# Altium PCB Thunderscope_Rev5.PCBDOC (part 5 of 7) (continued)
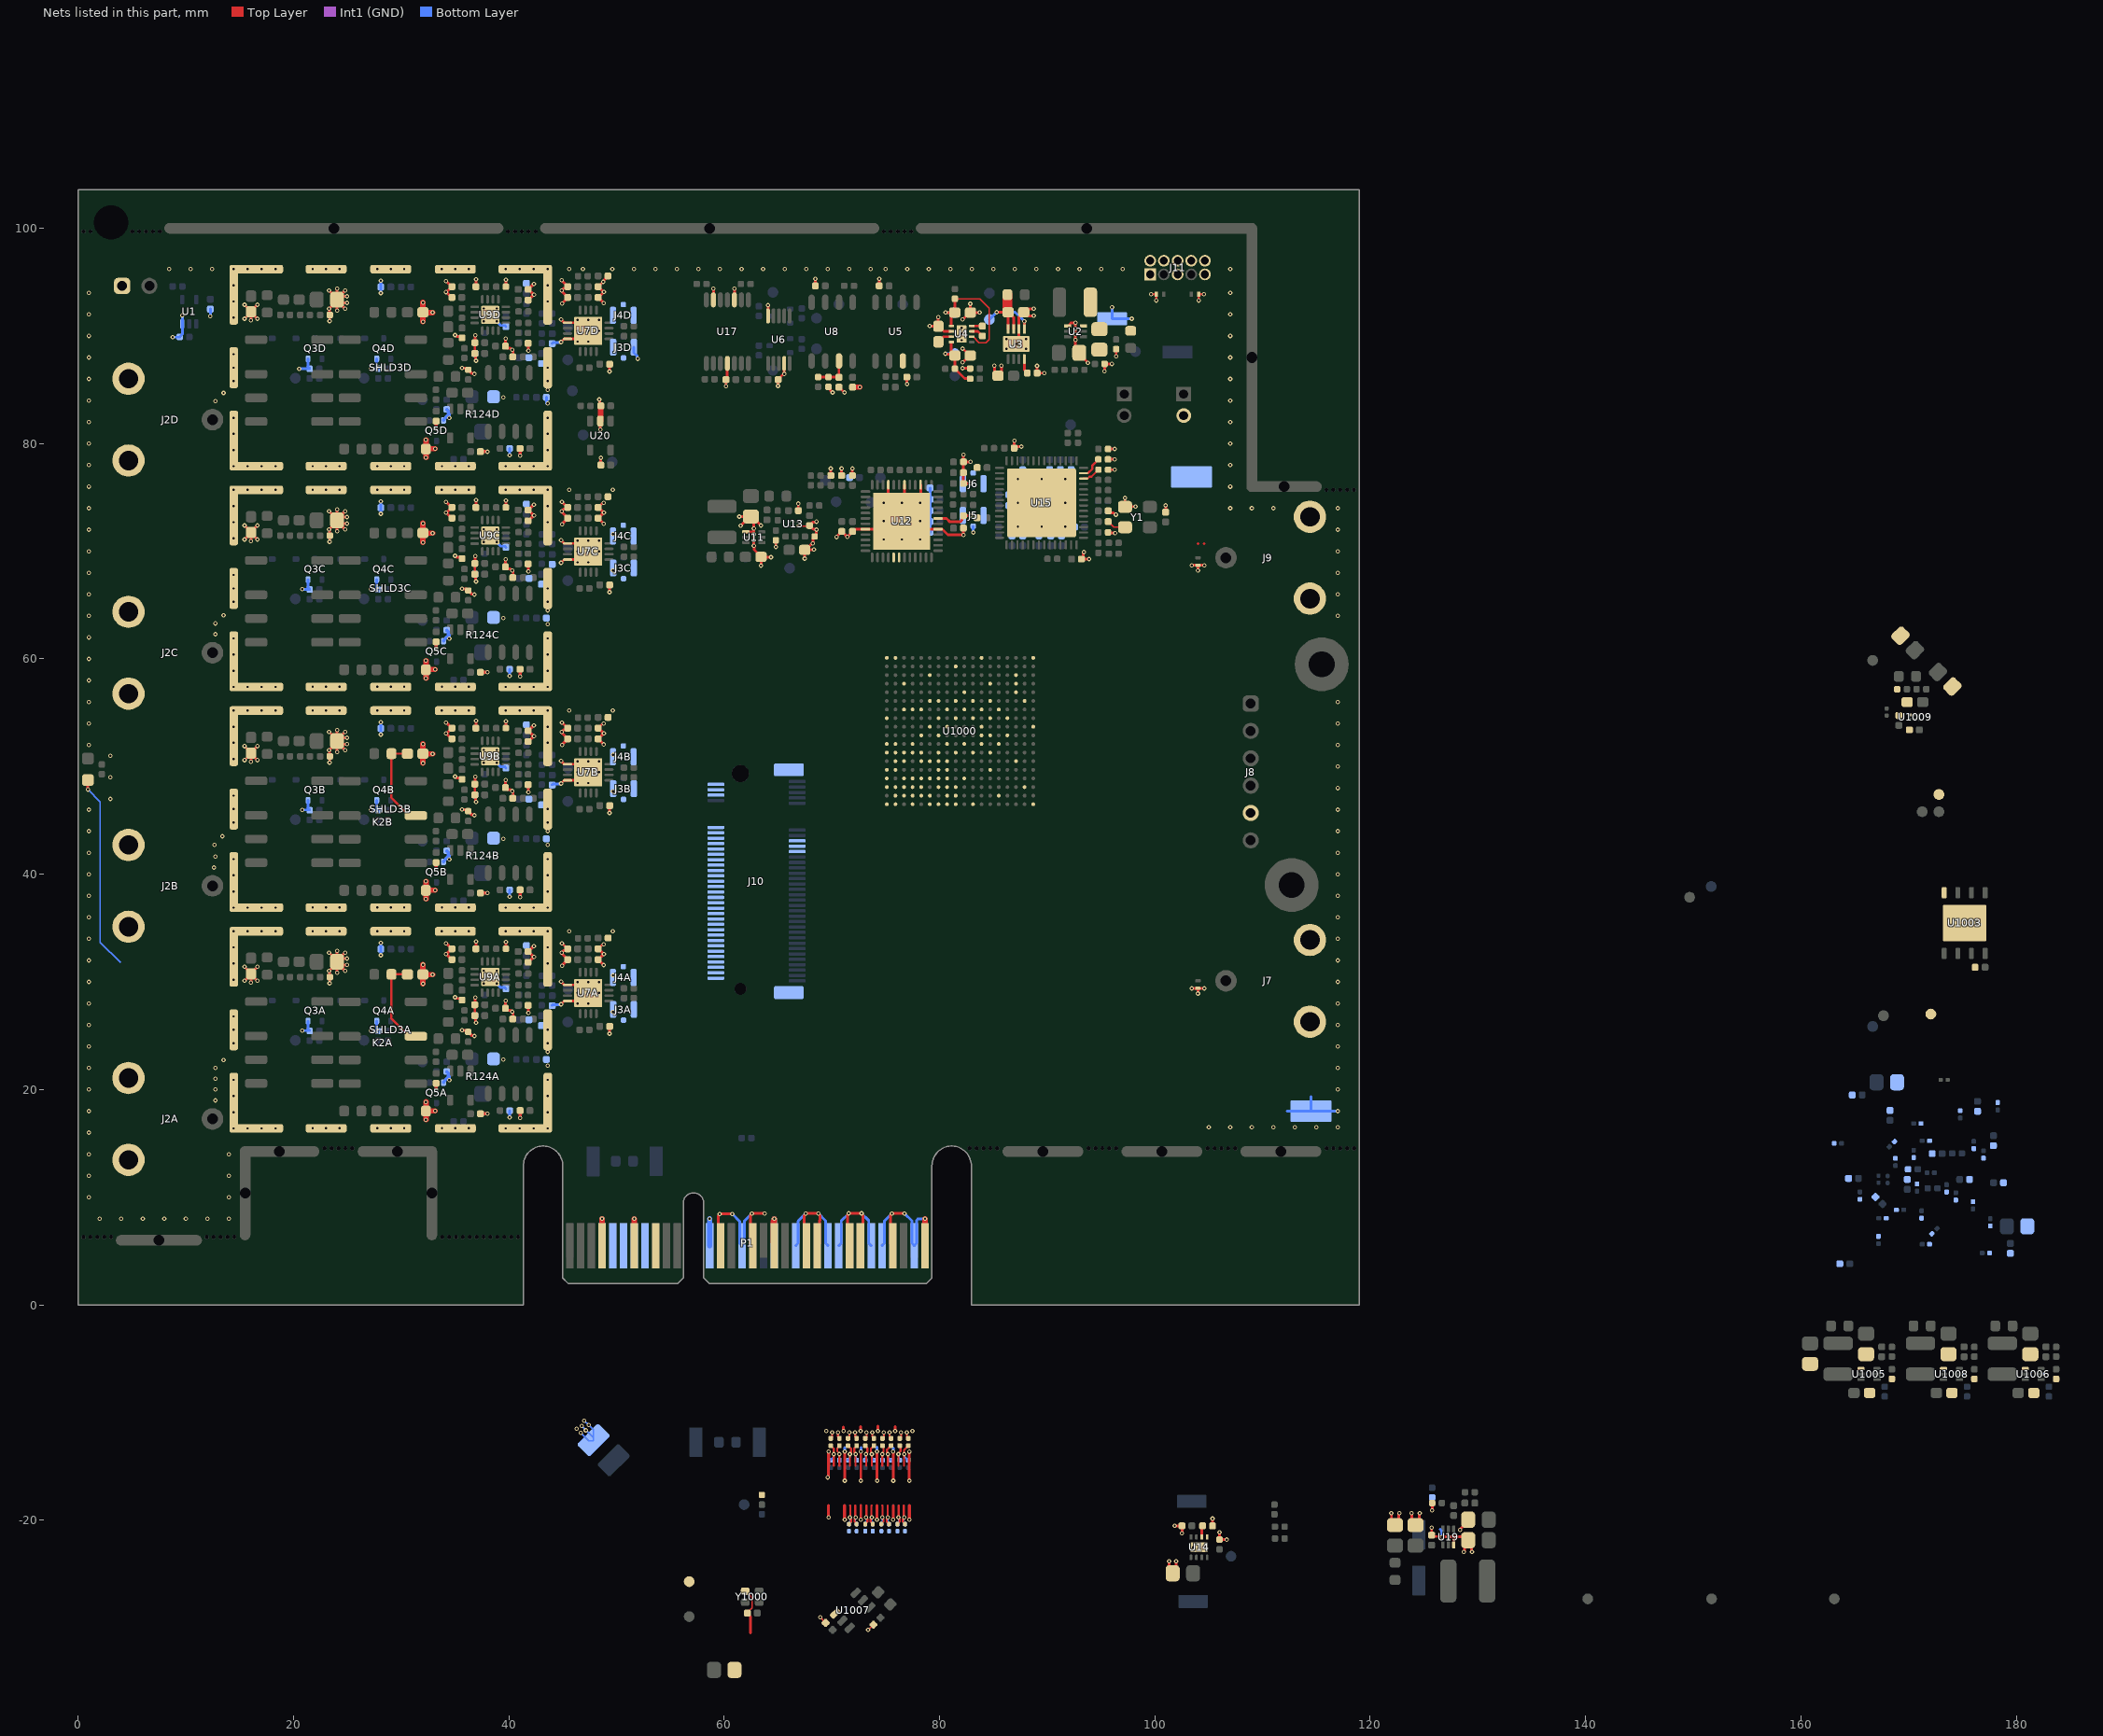
[diagram p9: the nets of this part, all layers, seen from the top]
## Nets (pads, with @x,y where several pads share a name; then routed paths per layer and width w, separated by ;. In a path a pad name is that pad's centre, name@x,y a point inside that pad or via, vN(x,y) a via of type N, cw(c..) or ccw(c..) an arc to the next point about the centre after c; other vN are vias at no path point) (continued)
  Top Layer w0.3: v1@33.255,19.92 C128A.1@33.255,20.545 ; v1@33.255,40.42 C128B.1@33.255,41.045 ; v1@33.255,60.92 C128C.1@33.255,61.545 ; v1@33.255,81.42 C128D.1@33.255,82.045 ; C101A.1@37.365,17.705 37.41,17.75 v1(38.025,17.75) ; C101B.1@37.365,38.205 37.41,38.25 v1(38.025,38.25) ; C101C.1@37.365,58.705 37.41,58.75 v1(38.025,58.75) ; C101D.1@37.365,79.205 37.41,79.25 v1(38.025,79.25) ; C124A.2@41.023,18.028 41.044,18.006 41.044,17.377 v1(41.048,17.373) ; C124B.2@41.023,38.527 41.045,38.505 41.045,37.88 v1(41.05,37.875) ; C124C.2@41.023,59.028 41.045,59.005 41.045,58.38 v1(41.05,58.375) ; C124D.2@41.023,79.528 41.045,79.505 41.045,78.88 v1(41.05,78.875) ; 69.692,-14.94 v1(69.692,-13.634) ; v1(71.192,-19.946) 71.192,-18.64 ; v1(77.192,-19.946) 77.192,-18.64
  Top Layer w0.508: v1(32.025,29.825) C20A.2@32.025,30.675 ; v1(32.025,31.6) C20A.2@32.025,30.7 32.05,30.675 v1(32.925,30.675) ; v1(32.025,50.325) C20B.2@32.025,51.175 ; v1(32.025,52.1) C20B.2@32.025,51.2 32.05,51.175 v1(32.925,51.175) ; v1(32.025,70.825) C20C.2@32.025,71.675 ; v1(32.025,72.6) C20C.2@32.025,71.7 32.05,71.675 v1(32.925,71.675) ; v1(32.025,91.325) C20D.2@32.025,92.175 ; v1(32.025,93.1) C20D.2@32.025,92.2 32.05,92.175 v1(32.925,92.175) ; v1(32.3,17.2) R41A.1@32.3,18 ; v1(32.3,18.85) R41A.1@32.3,18 ; v1(32.3,37.7) R41B.1@32.3,38.5 ; v1(32.3,39.35) R41B.1@32.3,38.5 ; v1(32.3,58.2) R41C.1@32.3,59 ; v1(32.3,59.85) R41C.1@32.3,59 ; v1(32.3,78.7) R41D.1@32.3,79.5 ; v1(32.3,80.35) R41D.1@32.3,79.5 ; v1(33.15,18.025) 32.325,18.025 R41A.1@32.3,18 ; v1(33.15,38.525) 32.325,38.525 R41B.1@32.3,38.5 ; v1(33.15,59.025) 32.325,59.025 R41C.1@32.3,59 ; v1(33.15,79.525) 32.325,79.525 R41D.1@32.3,79.5 ; U20.2@48.5,82.1 48.52,82.12 48.52,83.48 C125.1@48.54,83.5 ; P1.B4@48.65,5.5 v1(48.65,8) ; P1.B7@51.65,5.5 v1(51.65,8) ; P1.B18@64.65,5.5 v1(64.65,8) ; C18.1@71.925,85.24 71.935,85.25 v1(72.6,85.25) ; P1.B32@78.65,5.5 v1(78.65,8)
  Int1 (GND) w0.254: v1(44.933,33.592) v1@44.95,33.575 ; v1(44.933,54.092) v1@44.95,54.075 ; v1(44.933,74.592) v1@44.95,74.575 ; v1@48.775,31.6 48.816,31.559 v1(48.818,31.559) ; v1@48.775,52.1 48.816,52.059 v1(48.818,52.059) ; v1@48.775,72.6 48.816,72.559 v1(48.818,72.559)
  Bottom Layer w0.127: v1(46.675,-11.9) 47.413,-12.638 47.863,-12.638 C1057.1@47.863,-12.342 ; v1(46.76,-11.245) 46.76,-11.253 47.15,-11.642 v1@47.15,-11.65 ; v1(46.975,-10.75) 47,-10.75 47.4,-11.15 v1(47.425,-11.15) 47.863,-11.588 C1057.1@47.863,-12.342 ; v1(47.146,-11.646) 47.842,-12.342 C1057.1@47.863,-12.342
  Bottom Layer w0.25: C31A.2@44.025,27.815 44.105,27.895 44.82,27.895 v1(44.85,27.925) ; C31B.2@44.025,48.315 44.105,48.395 44.82,48.395 v1(44.85,48.425) ; C31D.2@44.025,89.29 44.13,89.395 44.82,89.395 v1(44.85,89.425)
  Bottom Layer w0.254: v1(8.775,89.875) 8.788,89.888 9.412,89.888 R2.1@9.425,89.9 9.425,89.912 9.675,90.162 U1.3@9.675,91.125 v1(9.675,91.9) ; v1(12.275,91.84) C1.2@12.275,92.49 ; v1(20.525,86.95) 21.475,86.95 21.5,86.975 21.35,87.125 Q3D.3@21.35,87.875 ; v1(20.8,25.475) 21.5,25.475 21.35,25.625 Q3A.3@21.35,26.375 ; v1(20.8,45.975) 21.5,45.975 21.35,46.125 Q3B.3@21.35,46.875 ; v1(20.8,66.475) 21.5,66.475 21.35,66.625 Q3C.3@21.35,67.375 ; v1(27.175,25.475) 27.875,25.475 27.725,25.625 Q4A.3@27.725,26.375 ; v1(27.175,45.975) 27.875,45.975 27.725,46.125 Q4B.3@27.725,46.875 ; v1(27.175,66.475) 27.875,66.475 27.725,66.625 Q4C.3@27.725,67.375 ; v1(27.175,86.975) 27.875,86.975 27.725,87.125 Q4D.3@27.725,87.875 ; v1(28.115,32.475) C133A.2@28.115,33.038 ; C133A.2@28.115,33.05 v1(28.115,33.625) ; v1(28.115,52.975) C133B.2@28.115,53.538 ; C133B.2@28.115,53.55 v1(28.115,54.125) ; v1(28.115,73.475) C133C.2@28.115,74.038 ; C133C.2@28.115,74.05 v1(28.115,74.625) ; v1(28.115,93.975) C133D.2@28.115,94.538 ; C133D.2@28.115,94.55 v1(28.115,95.125) ; C102A.1@36.84,26.875 36.921,26.794 36.921,26.229 v1(36.95,26.2) ; C102B.1@36.84,47.375 36.921,47.294 36.921,46.729 v1(36.95,46.7) ; C102C.1@36.84,67.875 36.921,67.794 36.921,67.229 v1(36.95,67.2) ; C102D.1@36.84,88.375 36.921,88.294 36.921,87.729 v1(36.95,87.7) ; v1(38.875,29.85) 39.256,29.469 39.621,29.469 C110A.2@39.725,29.365 ; v1(38.875,50.35) 39.256,49.969 39.621,49.969 C110B.2@39.725,49.865 ; v1(38.875,70.85) 39.256,70.469 39.621,70.469 C110C.2@39.725,70.365 ; v1(38.875,91.35) 39.256,90.969 39.621,90.969 C110D.2@39.725,90.865 ; v1(40.075,17.42) R123A.1@40.075,18.05 ; v1(40.075,37.92) R123B.1@40.075,38.55 ; v1(40.075,58.42) R123C.1@40.075,59.05 ; v1(40.075,78.92) R123D.1@40.075,79.55 ; v1@43.485,83.725 C111D.1@43.485,84.3 ; J3D.2@51.61,88.95 51.61,88.44 51.925,88.125 51.925,87.953 51.96,87.918 v1(51.96,87.876) ; v1(60.75,8.45) 61.427,7.773 61.427,5.723 P1.A15@61.65,5.5 61.873,5.723 61.873,7.792 v1(62.575,8.494) ; P1.A20@66.65,5.5 66.873,5.723 66.873,7.782 v1(67.575,8.484) ; v1(68.75,8.484) 69.427,7.807 69.427,5.723 P1.A23@69.65,5.5 ; P1.A24@70.65,5.5 70.873,5.723 70.873,7.804 v1(71.575,8.506) ; v1(71.192,-13.634) 71.199,-13.627 71.199,-13.237 ; v1(71.425,71.325) 71.425,71.338 71.925,71.838 R46.2@71.925,71.85 ; v1(72.692,-13.634) 72.699,-13.627 72.699,-13.237 ; v1(72.75,8.506) 73.427,7.829 73.427,5.723 P1.A27@73.65,5.5 ; v1(74.192,-13.634) 74.199,-13.627 74.199,-13.212 ; P1.A28@74.65,5.5 74.873,5.723 74.873,7.789 v1(75.575,8.492) ; v1(75.692,-13.634) 75.699,-13.627 75.699,-13.287 ; v1(76.75,8.492) 77.427,7.815 77.427,5.723 P1.A31@77.65,5.5 77.873,5.723 77.873,7.851 78.022,8 v1(78.65,8) ; v1(78.2,71.1) 78.229,71.129 78.469,71.129 C49.1@79.115,71.775 C55.1@79.115,72.775 ; v1(78.2,72.8) 78.213,72.787 79.103,72.787 C55.1@79.115,72.775 ; v1(78.2,74.5) 78.241,74.5 78.414,74.673 78.963,74.673 C57.1@79.115,74.825 ; C58.1@79.115,75.875 C57.1@79.115,74.825 ; J5.2@82.165,73.325 82.19,73.3 v1(82.875,73.3) ; J6.2@82.165,76.275 82.19,76.3 v1(82.867,76.3) ; v1@82.867,78.259 v1(82.867,78.3) ; v1(83.125,71.745) J5.2@83.125,72.325 ; 112.27,18 TP5.1@114.5,18 ; 114.5,19.345 114.5,18.025 114.512,18.012 TP5.1@114.5,18 ; v1@116.975,18 TP5.1@114.5,18 ; v1(125.75,-19.09) 125.75,-18.3 ; 126.5,-20.85 126.611,-20.961 126.611,-21.511 v1(126.65,-21.55) ; C55.1@79.115,72.775 C54.1@79.115,73.775 C57.1@79.115,74.825
  Bottom Layer w0.3: Q5A.3@33.925,20.65 33.925,20.715 34.29,21.08 ; Q5B.3@33.925,41.15 33.925,41.215 34.29,41.58 ; Q5C.3@33.925,61.65 33.925,61.715 34.29,62.08 ; Q5D.3@33.925,82.15 33.925,82.215 34.29,82.58 ; R127A.1@34.225,21.675 34.375,21.525 34.375,21.303 34.455,21.223 34.455,20.895 v1(34.475,20.875) ; R127B.1@34.225,42.175 34.375,42.025 34.375,41.803 34.455,41.723 34.455,41.395 v1(34.475,41.375) ; R127C.1@34.225,62.675 34.375,62.525 34.375,62.303 34.455,62.223 34.455,61.895 v1(34.475,61.875) ; R127D.1@34.225,83.175 34.375,83.025 34.375,82.803 34.455,82.723 34.455,82.395 v1(34.475,82.375)
  Bottom Layer w0.508: P1.A4@48.65,5.5 v1(48.65,8) ; P1.A12@58.65,5.5 v1(58.65,8) ; P1.A18@64.65,5.5 v1(64.65,8)
  other v1: 73.362,-30.184 103.525,-22.5 104.1,-22.5 104.675,-22.5 121.95,-19.35 122.7,-19.35 123.85,-19.35 124.6,-19.35 71.199,-16.337 72.699,-16.337 74.199,-16.337 75.699,-16.337 77.199,-16.337 69.474,-11.712 77.474,-11.712 46.286,-11.489 2,8 4,8 6,8 8,8 10,8 12,8 14,8 1,10 14,10 1,12 14,12 1,14 14,14 1,16 14.45,16.4 15.75,16.4 17.05,16.4 18.35,16.4 21.783,16.405 23.033,16.405 24.283,16.405 27.783,16.405 29.033,16.405 30.283,16.405 33.783,16.405 35.033,16.405 36.283,16.405 39.715,16.4 41.015,16.4 42.315,16.4 43.615,16.4 105,16.5 107,16.5 109,16.5 111,16.5 113,16.5 115,16.5 117,16.5 14.45,17.9 43.615,17.9 1,18 117,18 12.75,19 14.45,19.4 43.615,19.4 33.26,19.915 1,20 12.75,20 117,20 14.45,20.9 43.615,20.9 12.75,21 1,22 12.75,22 117,22 43.61,22.225 13.5,22.75 39.5,22.8 43.61,23.5 1,24 117,24 14.45,24.3 43.61,24.3 36.8,24.975 14.45,25.55 43.61,25.55 1,26 117,26 14.45,26.8 49.66,27.2 46.375,27.975 47.375,27.975 1,28 117,28 46.375,28.975 48.375,28.975 37.675,29.85 46.375,29.975 47.375,29.975 48.375,29.975 1,30 117,30 14.448,30.205 38.275,30.45 49.663,30.605 37.675,31.05 38.875,31.05 14.448,31.705 43.613,31.705 1,32 117,32 24.975,32.175 14.448,33.205 43.613,33.205 34.167,33.575 1,34 117,34 21.78,34.7 23.03,34.7 24.28,34.7 27.78,34.7 29.03,34.7 30.28,34.7 33.78,34.7 35.03,34.7 36.28,34.7 49.65,34.7 14.448,34.705 15.748,34.705 17.048,34.705 18.348,34.705 39.713,34.705 41.013,34.705 42.313,34.705 43.613,34.705 45.613,34.705 1,36 117,36 14.45,36.9 15.75,36.9 17.05,36.9 18.35,36.9 21.783,36.905 23.033,36.905 24.283,36.905 27.783,36.905 29.033,36.905 30.283,36.905 33.783,36.905 35.033,36.905 36.283,36.905 39.715,36.9 41.015,36.9 42.315,36.9 43.615,36.9 1,38 117,38 14.45,38.4 43.615,38.4 14.45,39.9 43.615,39.9 1,40 117,40 33.26,40.415 12.625,40.625 14.45,41.4 43.615,41.4 12.75,41.65 1,42 117,42 12.65,42.725 43.61,42.725 39.5,43.3 13.4,43.525 1,44 43.61,44 117,44 14.45,44.8 43.61,44.8 36.8,45.475 1,46 117,46 14.45,46.05 43.61,46.05 3,47 14.45,47.3 49.66,47.7 117,48 46.375,48.475 47.375,48.475 3,49 46.375,49.475 48.375,49.475 117,50 37.675,50.35 46.375,50.475 47.375,50.475 48.375,50.475 14.448,50.705 38.275,50.95 3,51 49.663,51.105 37.675,51.55 38.875,51.55 1,52 117,52 14.448,52.205 43.613,52.205 24.975,52.675 14.448,53.705 43.613,53.705 1,54 117,54 34.167,54.075 21.78,55.2 23.03,55.2 24.28,55.2 27.78,55.2 29.03,55.2 30.28,55.2 33.78,55.2 35.03,55.2 36.28,55.2 49.65,55.2 14.448,55.205 15.748,55.205 17.048,55.205 18.348,55.205 39.713,55.205 41.013,55.205 42.313,55.205 43.613,55.205 45.613,55.205 1,56 117,56 14.45,57.4 15.75,57.4 17.05,57.4 18.35,57.4 21.783,57.405 23.033,57.405 24.283,57.405 27.783,57.405 29.033,57.405 30.283,57.405 33.783,57.405 35.033,57.405 36.283,57.405 39.715,57.4 41.015,57.4 42.315,57.4 43.615,57.4 1,58 14.45,58.9 43.615,58.9 1,60 14.45,60.4 43.615,60.4 33.26,60.915 14.45,61.9 43.615,61.9 1,62 12.75,62.3 43.61,63.225 12.75,63.3 39.5,63.8 1,64 117,64 13.5,64.05 43.61,64.5 14.45,65.3 43.61,65.3 36.8,65.975 1,66 117,66 14.45,66.55 43.61,66.55 14.45,67.8 1,68 117,68 49.66,68.2 46.375,68.975 47.375,68.975 46.375,69.975 48.375,69.975 1,70 117,70 37.675,70.85 46.375,70.975 47.375,70.975 48.375,70.975 74.8,71.1 76.5,71.1 14.448,71.205 38.275,71.45 49.663,71.605 1,72 117,72 37.675,72.05 38.875,72.05 87.282,72.3 89.482,72.3 91.682,72.3 14.448,72.705 43.613,72.705 74.8,72.8 76.5,72.8 24.975,73.175 1,74 107,74 109,74 111,74 117,74 14.448,74.205 43.613,74.205 74.8,74.5 76.5,74.5 87.282,74.5 89.482,74.5 91.682,74.5 34.167,74.575 14.448,75.705 15.748,75.705 17.048,75.705 18.348,75.705 21.78,75.7 23.03,75.7 24.28,75.7 27.78,75.7 29.03,75.7 30.28,75.7 33.78,75.7 35.03,75.7 36.28,75.7 39.713,75.705 41.013,75.705 42.313,75.705 43.613,75.705 45.613,75.705 49.65,75.7 1,76 107,76 87.282,76.7 89.482,76.7 91.682,76.7 14.45,77.9 15.75,77.9 17.05,77.9 18.35,77.9 21.783,77.905 23.033,77.905 24.283,77.905 27.783,77.905 29.033,77.905 30.283,77.905 33.783,77.905 35.033,77.905 36.283,77.905 39.715,77.9 41.015,77.9 42.315,77.9 43.615,77.9 1,78 107,78 14.45,79.4 43.615,79.4 1,80 107,80 14.45,80.9 43.615,80.9 33.26,81.415 1,82 107,82 14.45,82.4 43.615,82.4 43.61,83.725 12.75,83.95 1,84 107,84 39.5,84.3 13.5,84.7 43.61,85 60.171,85.321 14.45,85.8 43.61,85.8 1,86 107,86 36.8,86.475 14.45,87.05 43.61,87.05 1,88 107,88 14.45,88.3 86.225,88.8 88.025,88.8 46.375,89.475 47.375,89.475 82.05,89.6 86.225,89.7 88.025,89.7 1,90 107,90 82.05,90.175 46.375,90.475 47.375,90.475 48.375,90.475 82.05,90.75 37.675,91.35 46.375,91.475 47.375,91.475 48.375,91.475 14.448,91.705 38.275,91.95 1,92 107,92 37.675,92.55 38.875,92.55 14.448,93.205 43.613,93.205 24.975,93.675 1,94 107,94 14.448,94.705 43.613,94.705 34.167,95.075 8.448,96.205 10.448,96.205 12.448,96.205 14.448,96.205 15.748,96.205 17.048,96.205 18.348,96.205 21.78,96.2 23.03,96.2 24.28,96.2 27.78,96.2 29.03,96.2 30.28,96.2 33.78,96.2 35.03,96.2 36.28,96.2 39.713,96.205 41.013,96.205 42.313,96.205 43.613,96.205 45.613,96.205 46.875,96.205 49.613,96.205 51.613,96.205 53.613,96.205 55.613,96.205 57.613,96.205 59.613,96.205 61.613,96.205 63.613,96.205 65.613,96.205 67.613,96.205 69.613,96.205 71.613,96.205 73.613,96.205 75,96.2 77,96.2 79,96.2 81,96.2 83,96.2 85,96.2 87,96.2 89,96.2 91,96.2 93,96.2 95,96.2 97,96.2 107,96.2
IF0: R27.2 U15.27 | length 2.1
  Top Layer w0.2: U15.27@93.375,77.25 93.779,77.25 94.2,77.671 94.2,77.991 R27.2@94.745,78.536
IF1: R26.2 U15.26 | length 1.7
  Top Layer w0.2: U15.26@93.375,76.75 93.742,76.75 93.922,76.93 94.105,76.93 R26.2@94.75,77.575
INTREF: C98.2 Y1.3 | length 1.8
  Top Layer w0.127: C98.2@95.66,72.75 96.185,72.225 Y1.3@97.225,72.225
JTAG1: P1.B9
JTAG2: P1.A5
JTAG3: P1.A6
JTAG4: P1.A7
JTAG5: P1.A8
LCLK_N: U12.18 U1000.T15
LCLK_P: U12.17 U1000.T14
LED: D1.1 | length 18
  Top Layer w0.254: v1(0.9,47.87) D1.1@0.9,48.5
  Bottom Layer w0.127: v1(0.9,47.87) 2.05,46.72 2.05,33.675 3.925,31.8
M2_GPIO1: J10.51 U1000.D8
M2_GPIO2: J10.53 U1000.C12
M2_PER0_N: C76.1 J10.42 | length 0.6
  Top Layer w0.191: v1(72.154,-11.838) 72.154,-11.95 72.165,-11.962 72.165,-12.263 C76.1@72.299,-12.397
M2_PER0_P: C77.1 J10.44 | length 0.6
  Top Layer w0.191: C77.1@71.499,-12.397 71.632,-12.263 71.632,-11.85 71.643,-11.838 v1(71.621,-11.837) v1(71.621,-11.837)
M2_PER1_N: C72.1 J10.30 | length 0.6
  Top Layer w0.191: v1(73.754,-11.838) 73.754,-11.95 73.765,-11.962 73.765,-12.263 C72.1@73.899,-12.397
M2_PER1_P: C73.1 J10.32 | length 0.6
  Top Layer w0.191: C73.1@73.099,-12.397 73.232,-12.263 73.232,-11.85 73.243,-11.838 v1(73.221,-11.837) v1(73.221,-11.837)
M2_PER2_N: C68.1 J10.18 | length 0.6
  Top Layer w0.191: v1(75.354,-11.838) 75.354,-11.95 75.365,-11.962 75.365,-12.263 C68.1@75.499,-12.397
M2_PER2_P: C69.1 J10.20 | length 0.6
  Top Layer w0.191: C69.1@74.699,-12.397 74.832,-12.263 74.832,-11.85 74.843,-11.838 v1(74.821,-11.837) v1(74.821,-11.837)
M2_PER3_N: C16.1 J10.6 | length 0.6
  Top Layer w0.191: v1(76.954,-11.838) 76.954,-11.95 76.965,-11.962 76.965,-12.263 C16.1@77.099,-12.397
M2_PER3_P: C65.1 J10.8 | length 0.6
  Top Layer w0.191: C65.1@76.299,-12.397 76.432,-12.263 76.432,-11.85 76.443,-11.838 v1(76.421,-11.837) v1(76.421,-11.837)
M2_PERST#: J10.49 R85.2
M2_PET0_N: J10.48 R82.2
M2_PET0_P: J10.50 R83.2
M2_PET1_N: J10.36 R78.2
M2_PET1_P: J10.38 R79.2
M2_PET2_N: J10.24 R74.2
M2_PET2_P: J10.26 R75.2
M2_PET3_N: J10.12 R70.2
M2_PET3_P: J10.14 R71.2
M2_REFCLK_N: C80.1 J10.54 | length 0.6
  Top Layer w0.191: v1(70.554,-11.838) 70.554,-11.95 70.565,-11.962 70.565,-12.263 C80.1@70.699,-12.397
M2_REFCLK_P: C81.1 J10.56 | length 0.6
  Top Layer w0.191: C81.1@69.899,-12.397 70.032,-12.263 70.032,-11.85 70.043,-11.838 v1(70.021,-11.837) v1(70.021,-11.837)
MGT_CLK1_N: C40.2 C80.2 U1000.B5 | length 2.6
  Top Layer w0.191: 70.692,-14.94 70.7,-14.932 70.7,-13.868 v1(70.708,-13.86) 70.667,-13.819 70.667,-13.75 70.493,-13.576 70.493,-13.308 70.699,-13.102 C80.2@70.699,-13.077
  Bottom Layer w0.191: C40.2@70.674,-14.422 70.687,-14.408 70.687,-13.881 v1(70.708,-13.86)
MGT_CLK1_P: C79.2 C81.2 U1000.B6 | length 2.7
  Top Layer w0.191: C81.2@69.899,-13.077 69.899,-13.092 70.175,-13.368 v1(70.175,-13.86) 70.183,-13.868 70.183,-14.932 70.192,-14.94
  Bottom Layer w0.191: C79.2@69.874,-14.422 69.874,-14.407 69.988,-14.293 70.002,-14.293 70.15,-14.145 70.15,-13.885 v1(70.175,-13.86)
MGT_RX0_N: R68.1 R70.1 U1000.E3 | length 2.5
  Top Layer w0.191: 76.692,-18.64 76.676,-18.656 76.676,-19.688 v1(76.708,-19.72) ; v1@76.708,-19.779 76.599,-19.888 76.599,-20.137 R68.1@76.799,-20.337
  Bottom Layer w0.191: v1(76.708,-19.72) 76.708,-19.779 76.656,-19.831 76.656,-20.194 76.799,-20.337 R70.1@76.799,-20.362
MGT_RX0_P: R69.1 R71.1 U1000.E4 | length 2.5
  Top Layer w0.191: R69.1@76.099,-20.337 76.281,-20.155 76.281,-19.885 v1@76.183,-19.786 ; v1(76.175,-19.72) 76.208,-19.688 76.208,-18.656 76.192,-18.64
  Bottom Layer w0.191: R71.1@76.099,-20.362 76.099,-20.337 76.233,-20.202 76.233,-19.837 76.175,-19.779 v1(76.175,-19.72)
MGT_RX1_N: R72.1 R74.1 U1000.A3 | length 2.5
  Top Layer w0.191: 75.192,-18.64 75.176,-18.656 75.176,-19.688 v1(75.208,-19.72) ; v1@75.208,-19.779 75.099,-19.888 75.099,-20.137 R72.1@75.299,-20.337
  Bottom Layer w0.191: v1(75.208,-19.72) 75.208,-19.779 75.156,-19.831 75.156,-20.194 75.299,-20.337 R74.1@75.299,-20.362
MGT_RX1_P: R73.1 R75.1 U1000.A4 | length 2.5
  Top Layer w0.191: R73.1@74.599,-20.337 74.781,-20.155 74.781,-19.885 v1@74.683,-19.786 ; v1(74.675,-19.72) 74.708,-19.688 74.708,-18.656 74.692,-18.64
  Bottom Layer w0.191: R75.1@74.599,-20.362 74.599,-20.337 74.733,-20.202 74.733,-19.837 74.675,-19.779 v1(74.675,-19.72)
MGT_RX2_N: R76.1 R78.1 U1000.C3 | length 2.5
  Top Layer w0.191: 73.692,-18.64 73.676,-18.656 73.676,-19.688 v1(73.708,-19.72) ; v1@73.717,-19.77 73.607,-19.88 73.607,-20.128 R76.1@73.807,-20.328
  Bottom Layer w0.191: v1(73.708,-19.72) 73.708,-19.779 73.656,-19.831 73.656,-20.194 73.799,-20.337 R78.1@73.799,-20.362
MGT_RX2_P: R77.1 R79.1 U1000.C4 | length 2.5
  Top Layer w0.191: R77.1@73.107,-20.328 73.289,-20.146 73.289,-19.876 v1@73.191,-19.778 ; v1(73.175,-19.72) 73.208,-19.688 73.208,-18.656 73.192,-18.64
  Bottom Layer w0.191: R79.1@73.099,-20.362 73.099,-20.337 73.233,-20.202 73.233,-19.837 73.175,-19.779 v1(73.175,-19.72)
MGT_RX3_N: R80.1 R82.1 U1000.G3 | length 2.6
  Top Layer w0.191: 72.192,-18.64 72.176,-18.656 72.176,-19.688 v1(72.208,-19.72) 72.208,-19.779 72.099,-19.888 72.099,-20.137 72.299,-20.337 R80.1@72.299,-20.362
  Bottom Layer w0.191: v1(72.208,-19.72) 72.208,-19.779 72.156,-19.831 72.156,-20.194 72.299,-20.337 R82.1@72.299,-20.362
MGT_RX3_P: R81.1 R83.1 U1000.G4 | length 2.6
  Top Layer w0.191: R81.1@71.599,-20.362 71.599,-20.337 71.781,-20.155 71.781,-19.885 71.683,-19.786 v1@71.683,-19.72 ; v1(71.675,-19.72) 71.708,-19.688 71.708,-18.656 71.692,-18.64
  Bottom Layer w0.191: R83.1@71.599,-20.362 71.599,-20.337 71.733,-20.202 71.733,-19.837 71.675,-19.779 v1(71.675,-19.72)
MGT_TX0_N: C16.2 C62.2 U1000.H1 | length 2.7
  Top Layer w0.191: 76.7,-14.932 76.7,-13.49 77.099,-13.092 C16.2@77.099,-13.077
  Bottom Layer w0.191: v1(76.708,-13.86) 76.75,-13.901 76.75,-14.098 76.945,-14.293 76.96,-14.293 77.074,-14.407 C62.2@77.074,-14.422
MGT_TX0_P: C15.2 C65.2 U1000.H2 | length 2.6
  Top Layer w0.191: 76.183,-14.932 76.183,-13.868 76.216,-13.835 76.216,-13.75 76.382,-13.584 C65.2@76.382,-13.135 ; C65.2@76.299,-13.077 C65.2@76.382,-13.16
  Bottom Layer w0.191: v1(76.175,-13.86) 76.216,-13.901 76.216,-14.364 C15.2@76.274,-14.422
MGT_TX1_N: C66.2 C68.2 U1000.F1 | length 2.7
  Top Layer w0.191: 75.2,-14.932 v1@75.2,-13.868 ; v1(75.208,-13.86) 75.208,-13.802 75.116,-13.71 75.116,-13.449 75.36,-13.205 75.385,-13.205 75.499,-13.092 C68.2@75.499,-13.077
  Bottom Layer w0.191: v1@75.211,-13.876 75.215,-13.881 75.215,-14.163 75.345,-14.293 75.36,-14.293 75.474,-14.407 C66.2@75.474,-14.422
MGT_TX1_P: C67.2 C69.2 U1000.F2 | length 2.5
  Top Layer w0.191: v1(74.675,-13.86) 74.675,-13.802 74.799,-13.678 74.799,-13.177 C69.2@74.699,-13.077 ; 74.683,-14.932 v1@74.683,-13.868
  Bottom Layer w0.191: C67.2@74.674,-14.421 v1@74.674,-13.861
MGT_TX2_N: C70.2 C72.2 U1000.D1 | length 2.6
  Top Layer w0.191: 73.7,-14.932 v1@73.7,-13.868 ; v1(73.708,-13.86) 73.708,-13.802 73.616,-13.71 73.616,-13.364 73.775,-13.205 73.785,-13.205 73.899,-13.092 C72.2@73.899,-13.077
  Bottom Layer w0.191: v1(73.708,-13.86) 73.708,-14.206 73.874,-14.372 C70.2@73.874,-14.422
MGT_TX2_P: C71.2 C73.2 U1000.D2 | length 2.6
  Top Layer w0.191: v1@73.099,-13.86 73.117,-13.86 73.299,-13.678 73.299,-13.302 73.099,-13.102 C73.2@73.099,-13.077 ; 73.183,-14.932 v1@73.183,-13.868
  Bottom Layer w0.191: C71.2@73.074,-14.422 73.175,-14.32 v1(73.175,-13.86)
MGT_TX3_N: C74.2 C76.2 U1000.B1 | length 2.6
  Top Layer w0.191: 72.2,-14.932 v1@72.2,-13.868 ; v1(72.208,-13.86) 72.208,-13.802 72.091,-13.685 72.091,-13.309 72.299,-13.102 C76.2@72.299,-13.077
  Bottom Layer w0.191: v1(72.208,-13.86) 72.208,-14.356 C74.2@72.274,-14.422
MGT_TX3_P: C75.2 C77.2 U1000.B2 | length 2.7
  Top Layer w0.191: C77.2@71.499,-13.077 71.499,-13.092 71.613,-13.205 71.622,-13.205 71.774,-13.357 71.774,-13.703 71.671,-13.806 v1@71.671,-13.86 ; 71.683,-14.932 v1@71.683,-13.868
  Bottom Layer w0.191: C75.2@71.474,-14.422 71.474,-14.397 71.675,-14.195 v1(71.675,-13.86)
NetC2_2: C2.2 L1.1 R3.1 TP3.1 U2.3 | length 2.9
  Bottom Layer w0.254: v1(96.025,92.65) TP3.1@96.025,91.6 v1(97.85,91.6)
NetC4_2: C4.2 U14.6 | length 1.1
  Top Layer w0.254: U14.6@104.35,-21.55 104.352,-21.548 104.352,-20.588 C4.2@104.415,-20.525
NetC5_2: C5.2 R9.1 R11.2 TP12.1 U4.4 | length 6.1
  Top Layer w0.254: v1(80.525,88.35) 80.554,88.321 C5.2@81.27,88.321 ; U4.4@81.091,89.426 81.091,88.501 C5.2@81.27,88.321 ; R11.2@82.841,86.026 82.815,86.051 82.324,86.051 R9.1@81.425,86.95 81.42,86.955 81.42,88.171 C5.2@81.416,88.176 C5.2@81.27,88.321
  Bottom Layer w0.254: v1(80.525,88.35) TP12.1@81.425,88.35
NetC6_2: C6.2 R7.2 TP9.1 U3.5 U3.7 U3.8 | length 10.5
  Top Layer w0.25: U3.8@86.373,90.647 C6.2@86.373,92.187 ; C6.2@86.378,92.2 86.875,91.703 U3.7@86.875,90.645 ; U3.5@87.875,90.645 v1(87.875,91.35)
  Top Layer w0.254: v1@85.45,92.2 C6.2@86.37,92.2 ; U3.8@86.373,90.647 U3.8@86.375,90.645 ; C6.2@86.373,92.187 86.373,92.197 C6.2@86.37,92.2 ; C6.2@86.378,92.2 C6.2@86.37,92.2
  Top Layer w0.9: R7.2@86.305,93.825 86.305,92.225 86.33,92.2 C6.2@86.37,92.2
  Bottom Layer w0.254: TP9.1@84.625,91.525 v1(85.3,92.2) ; v1@85.295,92.2 87.025,92.2 v1(87.875,91.35)
NetC8_2: C8.2 R8.2 TP11.1 U4.1 U4.6 | length 12.8
  Top Layer w0.127: R8.2@81.425,93.45 83.725,93.45 84.6,92.575 84.6,89.65 84.325,89.375 83.666,89.375 83.116,89.926 U4.6@82.991,89.926
  Top Layer w0.254: v1(80.56,92.175) C8.2@81.416,92.176 81.091,91.851 U4.1@81.091,90.926 ; C8.2@81.416,92.176 81.42,92.18 81.42,93.445 R8.2@81.425,93.45
  Bottom Layer w0.254: v1(80.56,92.175) TP11.1@81.4,92.175
NetC9_1: C9.1 U4.7 | length 1.2
  Top Layer w0.254: U4.7@82.991,90.426 83.539,90.426 C9.1@83.975,89.99
NetC9_2: C9.2 U4.8 | length 1
  Top Layer w0.254: U4.8@82.991,90.926 82.993,90.924 83.961,90.924 C9.2@83.975,90.91
NetC10_2: C10.2 U3.4 | length 1.4
  Top Layer w0.254: U3.4@87.875,87.855 87.875,86.833 88.14,86.568 C10.2@88.14,86.55
NetC11_2: C11.2 U4.3 | length 1.4
  Top Layer w0.254: C11.2@79.891,89.451 79.9,89.451 80.375,89.926 U4.3@81.091,89.926
NetC19_2: C19.2 R24.1 R25.2 U8.3 | length 3.5
  Top Layer w0.254: R24.1@68.725,86.175 R25.2@69.675,86.175 69.682,86.168 70.643,86.168 C19.2@70.65,86.16 70.655,86.165 70.655,87.67 U8.3@70.66,87.675
NetC20A_1: C20A.1 K2A.7 R31A.2 | length 8.5
  Top Layer w0.213: C20A.1@30.575,30.7 R31A.2@29.1,30.7 29.1,26.585 30.735,24.95 K2A.7@31.365,24.95
NetC20B_1: C20B.1 K2B.7 R31B.2 | length 8.5
  Top Layer w0.213: C20B.1@30.575,51.2 R31B.2@29.1,51.2 29.1,47.085 30.735,45.45 K2B.7@31.365,45.45